# KiCad board register-motherboard.kicad_pcb (continued)
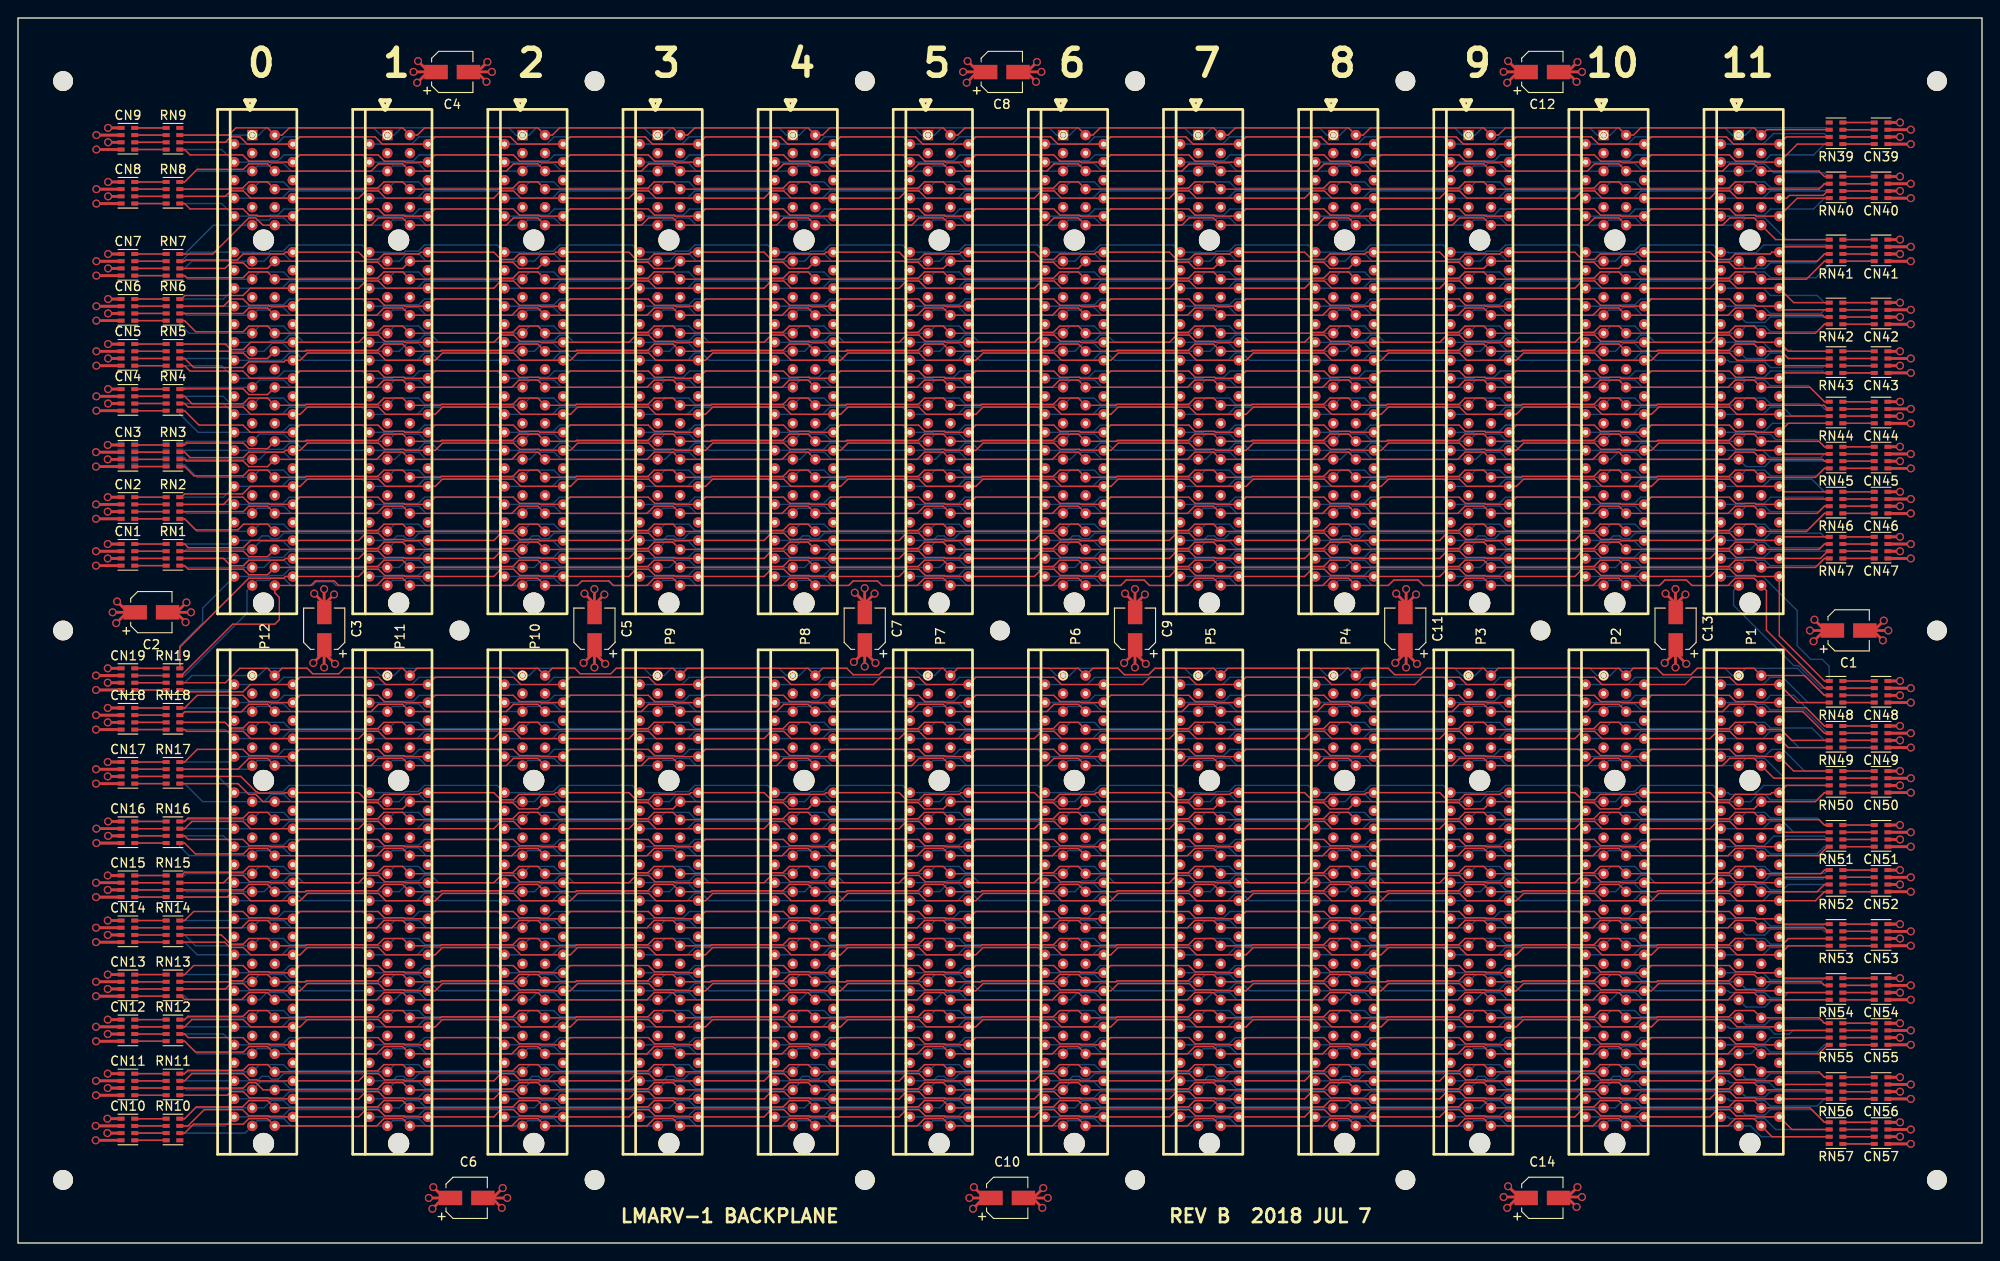
[diagram p0: board, top side]
## Routing (per net, layer and track width the routed paths; a pad name or vN(x,y) marks a point on that pad's centre or on a via; arc(x,y) is an arc through that point) (continued)
/rd[12]: length 192.8
  Bottom w0.152: RN68.7 200.88,56.6 198.28,59.2 194.49,59.2 193.89,59.8 191.8,59.8 P1.54 180.31,59 179.44,59.87 178.18,59.87 177.89,59.57 176.57,59.57 P2.54 165.31,59 164.44,59.87 163.18,59.87 162.89,59.57 161.57,59.57 P3.54 150.31,59 149.44,59.87 148.18,59.87 147.89,59.57 146.57,59.57 P4.54 135.31,59 134.44,59.87 133.18,59.87 132.89,59.57 131.57,59.57 P5.54 120.31,59 119.44,59.87 118.18,59.87 117.89,59.57 116.57,59.57 P6.54 105.31,59 104.44,59.87 103.18,59.87 102.89,59.57 101.57,59.57 P7.54 90.31,59 89.44,59.87 88.18,59.87 87.89,59.57 86.57,59.57 P8.54 75.31,59 74.44,59.87 73.18,59.87 72.89,59.57 71.57,59.57 P9.54 60.31,59 59.44,59.87 58.18,59.87 57.89,59.57 56.57,59.57 P10.54 45.31,59 44.44,59.87 43.18,59.87 42.89,59.57 41.57,59.57 P11.54 30.31,59 29.44,59.87 28.18,59.87 27.89,59.57 26.57,59.57 P12.54 18.52,59 18.12,58.6 RN37.6
/rd[13]: length 192.4
  Bottom w0.152: RN68.8 200.51,57.4 197.1,60.8 194.53,60.8 193.84,60.11 191.68,60.11 191.57,60 P1.53 188.2,60.8 179.53,60.8 178.9,60.17 178.05,60.17 177.88,60 P2.53 173.2,60.8 164.53,60.8 163.9,60.17 163.05,60.17 162.88,60 P3.53 158.2,60.8 149.53,60.8 148.9,60.17 148.05,60.17 147.88,60 P4.53 143.2,60.8 134.53,60.8 133.9,60.17 133.05,60.17 132.88,60 P5.53 128.2,60.8 119.53,60.8 118.9,60.17 118.05,60.17 117.88,60 P6.53 113.2,60.8 104.53,60.8 103.9,60.17 103.05,60.17 102.88,60 P7.53 98.2,60.8 89.53,60.8 88.9,60.17 88.05,60.17 87.88,60 P8.53 83.2,60.8 74.53,60.8 73.9,60.17 73.05,60.17 72.88,60 P9.53 68.2,60.8 59.53,60.8 58.9,60.17 58.05,60.17 57.88,60 P10.53 53.2,60.8 44.53,60.8 43.9,60.17 43.05,60.17 42.88,60 P11.53 38.2,60.8 29.53,60.8 28.9,60.17 28.05,60.17 27.88,60 P12.53 23.4,59.4 RN37.5
/rd[14]: length 192.2
  Bottom w0.152: RN38.8 23.4,61.4 P12.51 28.69,62 29.49,62.8 38.2,62.8 P11.51 43.69,62 44.49,62.8 53.2,62.8 P10.51 58.69,62 59.49,62.8 62.37,62.8 62.37,62.8 62.63,62.8 62.63,62.8 68.2,62.8 P9.51 73.69,62 74.49,62.8 83.2,62.8 P8.51 88.69,62 89.49,62.8 92.57,62.8 92.57,62.8 95.72,62.8 95.73,62.8 98.2,62.8 P7.51 103.69,62 104.49,62.8 113.2,62.8 P6.51 118.69,62 119.49,62.8 122.67,62.8 122.67,62.8 125.62,62.8 125.63,62.8 128.2,62.8 P5.51 133.69,62 134.49,62.8 143.2,62.8 P4.51 148.69,62 149.49,62.8 152.67,62.8 152.67,62.8 155.82,62.8 155.83,62.8 158.2,62.8 P3.51 163.69,62 164.49,62.8 173.2,62.8 P2.51 178.69,62 179.49,62.8 182.47,62.8 182.47,62.8 185.82,62.8 185.83,62.8 188.2,62.8 P1.51 193.69,62 194.49,62.8 195.89,62.8 198.69,60 RN67.5
/rd[15]: length 195.6
  Bottom w0.152: RN67.6 200.51,60.8 197.5,63.8 191.8,63.8 P1.50 190.27,63 189.47,63.8 186.4,63.8 185.7,63.1 182.6,63.1 181.9,63.8 181.9,63.8 177.53,63.8 176.73,63 P2.50 175.27,63 174.47,63.8 162.53,63.8 161.73,63 P3.50 160.27,63 159.47,63.8 156.4,63.8 155.7,63.1 152.8,63.1 152.1,63.8 147.53,63.8 146.73,63 P4.50 145.27,63 144.47,63.8 132.53,63.8 131.73,63 P5.50 130.27,63 129.47,63.8 126.2,63.8 125.5,63.1 122.8,63.1 122.1,63.8 122.1,63.8 117.53,63.8 116.73,63 P6.50 115.27,63 114.47,63.8 102.53,63.8 101.73,63 P7.50 100.27,63 99.47,63.8 96.3,63.8 95.6,63.1 92.7,63.1 92,63.8 87.53,63.8 86.73,63 P8.50 85.27,63 84.47,63.8 72.53,63.8 71.73,63 P9.50 70.27,63 69.47,63.8 66.4,63.8 65.8,63.2 62.4,63.2 61.8,63.8 57.53,63.8 56.73,63 P10.50 55.27,63 54.47,63.8 42.53,63.8 41.73,63 P11.50 40.27,63 39.47,63.8 36.2,63.8 35.6,63.2 32.7,63.2 32.1,63.8 27.53,63.8 26.73,63 P12.50 19.29,63 18.49,62.2 RN38.7
/rd[16]: length 190.9
  Bottom w0.152: RN62.8 196.93,99 196.82,99.11 194.58,99.11 193.69,100 P1.22 181.69,100 180.89,100.8 180.11,100.8 179.51,100.2 178.08,100.2 177.88,100 P2.22 166.69,100 165.89,100.8 165.11,100.8 164.51,100.2 163.08,100.2 162.88,100 P3.22 151.69,100 150.89,100.8 150.11,100.8 149.51,100.2 148.08,100.2 147.88,100 P4.22 136.69,100 135.89,100.8 135.11,100.8 134.51,100.2 133.08,100.2 132.88,100 P5.22 121.69,100 120.89,100.8 120.11,100.8 119.51,100.2 118.08,100.2 117.88,100 P6.22 106.69,100 105.89,100.8 105.11,100.8 104.51,100.2 103.08,100.2 102.88,100 P7.22 91.69,100 90.89,100.8 90.11,100.8 89.51,100.2 88.08,100.2 87.88,100 P8.22 76.69,100 75.89,100.8 75.11,100.8 74.51,100.2 73.08,100.2 72.88,100 P9.22 61.69,100 60.89,100.8 60.11,100.8 59.51,100.2 58.08,100.2 57.88,100 P10.22 46.69,100 45.89,100.8 45.11,100.8 44.51,100.2 43.08,100.2 42.88,100 P11.22 31.69,100 30.89,100.8 30.11,100.8 29.51,100.2 28.08,100.2 27.88,100 P12.22 23.8,99.8 RN24.5
/rd[17]: length 192.1
  Bottom w0.152: RN25.8 17.96,102.03 18.99,101 P12.21 26.8,101.8 29.47,101.8 30.16,101.11 31.01,101.11 31.12,101 P11.21 41.8,101.8 44.47,101.8 45.16,101.11 46.01,101.11 46.12,101 P10.21 56.8,101.8 59.47,101.8 60.16,101.11 61.01,101.11 61.12,101 P9.21 71.8,101.8 74.47,101.8 75.16,101.11 76.01,101.11 76.12,101 P8.21 86.8,101.8 89.47,101.8 90.16,101.11 91.01,101.11 91.12,101 P7.21 101.8,101.8 104.47,101.8 105.16,101.11 106.01,101.11 106.12,101 P6.21 116.8,101.8 119.47,101.8 120.16,101.11 121.01,101.11 121.12,101 P5.21 131.8,101.8 134.47,101.8 135.16,101.11 136.01,101.11 136.12,101 P4.21 146.8,101.8 149.47,101.8 150.16,101.11 151.01,101.11 151.12,101 P3.21 161.8,101.8 164.47,101.8 165.16,101.11 166.01,101.11 166.12,101 P2.21 176.8,101.8 179.47,101.8 180.16,101.11 181.01,101.11 181.12,101 P1.21 191.8,101.8 193.89,101.8 194.52,101.17 199.68,101.17 200.51,102 RN61.5
/rd[18]: length 191.7
  Bottom w0.152: RN61.6 200.51,102.8 200.48,102.83 194.52,102.83 193.89,102.2 191.8,102.2 P1.19 180.31,103 179.44,103.87 178.18,103.87 177.89,103.57 176.57,103.57 P2.19 165.31,103 164.44,103.87 163.18,103.87 162.89,103.57 161.57,103.57 P3.19 150.31,103 149.44,103.87 148.18,103.87 147.89,103.57 146.57,103.57 P4.19 135.31,103 134.44,103.87 133.18,103.87 132.89,103.57 131.57,103.57 P5.19 120.31,103 119.44,103.87 118.18,103.87 117.89,103.57 116.57,103.57 P6.19 105.31,103 104.44,103.87 103.18,103.87 102.89,103.57 101.57,103.57 P7.19 90.31,103 89.44,103.87 88.18,103.87 87.89,103.57 86.57,103.57 P8.19 75.31,103 74.44,103.87 73.18,103.87 72.89,103.57 71.57,103.57 P9.19 60.31,103 59.44,103.87 58.18,103.87 57.89,103.57 56.57,103.57 P10.19 45.31,103 44.44,103.87 43.18,103.87 42.89,103.57 41.57,103.57 P11.19 30.31,103 29.44,103.87 28.18,103.87 27.89,103.57 26.57,103.57 P12.19 18.69,103 18.49,103.2 RN25.7
/rd[19]: length 190.9
  Bottom w0.152: RN25.6 P12.18 27.88,104 28.05,104.17 29.48,104.17 30.11,104.8 38.2,104.8 P11.18 42.88,104 43.05,104.17 44.48,104.17 45.11,104.8 53.2,104.8 P10.18 57.88,104 58.05,104.17 59.48,104.17 60.11,104.8 68.2,104.8 P9.18 72.88,104 73.05,104.17 74.48,104.17 75.11,104.8 83.2,104.8 P8.18 87.88,104 88.05,104.17 89.48,104.17 90.11,104.8 98.2,104.8 P7.18 102.88,104 103.05,104.17 104.48,104.17 105.11,104.8 113.2,104.8 P6.18 117.88,104 118.05,104.17 119.48,104.17 120.11,104.8 128.2,104.8 P5.18 132.88,104 133.05,104.17 134.48,104.17 135.11,104.8 143.2,104.8 P4.18 147.88,104 148.05,104.17 149.48,104.17 150.11,104.8 158.2,104.8 P3.18 162.88,104 163.05,104.17 164.48,104.17 165.11,104.8 173.2,104.8 P2.18 177.88,104 178.05,104.17 179.48,104.17 180.11,104.8 188.2,104.8 P1.18 193.69,104 194.49,103.2 200.1,103.2 200.51,103.6 RN61.7
/rd[20]: length 191.6
  Bottom w0.152: RN61.8 200.51,104.4 199.71,105.2 194.53,105.2 193.73,106 P1.16 188.2,106.8 180.11,106.8 179.31,106 P2.16 173.2,106.8 165.11,106.8 164.31,106 P3.16 158.2,106.8 150.11,106.8 149.31,106 P4.16 143.2,106.8 135.11,106.8 134.31,106 P5.16 128.2,106.8 120.11,106.8 119.31,106 P6.16 113.2,106.8 105.11,106.8 104.31,106 P7.16 98.2,106.8 90.11,106.8 89.31,106 P8.16 83.2,106.8 75.11,106.8 74.31,106 P9.16 68.2,106.8 60.11,106.8 59.31,106 P10.16 53.2,106.8 45.11,106.8 44.31,106 P11.16 38.2,106.8 30.11,106.8 29.31,106 P12.16 22.8,104.8 RN25.5
/rd[21]: length 192.1
  Bottom w0.152: RN26.8 18.49,107.4 18.89,107 P12.15 26.8,107.8 29.47,107.8 30.16,107.11 38.32,107.11 38.43,107 P11.15 41.8,107.8 44.47,107.8 45.16,107.11 53.32,107.11 53.43,107 P10.15 56.8,107.8 59.47,107.8 60.16,107.11 68.32,107.11 68.43,107 P9.15 71.8,107.8 74.47,107.8 75.16,107.11 83.32,107.11 83.43,107 P8.15 86.8,107.8 89.47,107.8 90.16,107.11 98.32,107.11 98.43,107 P7.15 101.8,107.8 104.47,107.8 105.16,107.11 113.32,107.11 113.43,107 P6.15 116.8,107.8 119.47,107.8 120.16,107.11 128.32,107.11 128.43,107 P5.15 131.8,107.8 134.47,107.8 135.16,107.11 143.32,107.11 143.43,107 P4.15 146.8,107.8 149.47,107.8 150.16,107.11 158.32,107.11 158.43,107 P3.15 161.8,107.8 164.47,107.8 165.16,107.11 173.32,107.11 173.43,107 P2.15 176.8,107.8 179.47,107.8 180.16,107.11 188.32,107.11 188.43,107 P1.15 191.8,107.8 193.89,107.8 194.52,107.17 199.58,107.17 201.04,108.63 RN60.5
/rd[22]: length 191.7
  Bottom w0.152: RN60.6 200.51,109.8 199.54,108.83 194.52,108.83 193.89,108.2 191.8,108.2 P1.13 180.31,109 179.51,109.8 178.11,109.8 177.31,109 P2.13 165.31,109 164.51,109.8 163.11,109.8 162.31,109 P3.13 150.31,109 149.51,109.8 148.11,109.8 147.31,109 P4.13 135.31,109 134.51,109.8 133.11,109.8 132.31,109 P5.13 120.31,109 119.51,109.8 118.11,109.8 117.31,109 P6.13 105.31,109 104.51,109.8 103.11,109.8 102.31,109 P7.13 90.31,109 89.51,109.8 88.11,109.8 87.31,109 P8.13 75.31,109 74.51,109.8 73.11,109.8 72.31,109 P9.13 60.31,109 59.51,109.8 58.11,109.8 57.31,109 P10.13 45.31,109 44.51,109.8 43.11,109.8 42.31,109 P11.13 30.31,109 29.51,109.8 28.11,109.8 27.31,109 P12.13 19.29,109 18.49,108.2 RN26.7
/rd[23]: length 191.8
  Bottom w0.152: RN26.6 18.12,109 19.12,110 P12.12 26.19,110 26.24,109.95 27.83,109.95 27.99,110.11 29.42,110.11 30.11,110.8 38.2,110.8 P11.12 41.19,110 41.24,109.95 42.83,109.95 42.99,110.11 44.42,110.11 45.11,110.8 53.2,110.8 P10.12 56.19,110 56.24,109.95 57.83,109.95 57.99,110.11 59.42,110.11 60.11,110.8 68.2,110.8 P9.12 71.19,110 71.24,109.95 72.83,109.95 72.99,110.11 74.42,110.11 75.11,110.8 83.2,110.8 P8.12 86.19,110 86.24,109.95 87.83,109.95 87.99,110.11 89.42,110.11 90.11,110.8 98.2,110.8 P7.12 101.19,110 101.24,109.95 102.83,109.95 102.99,110.11 104.42,110.11 105.11,110.8 113.2,110.8 P6.12 116.19,110 116.24,109.95 117.83,109.95 117.99,110.11 119.42,110.11 120.11,110.8 128.2,110.8 P5.12 131.19,110 131.24,109.95 132.83,109.95 132.99,110.11 134.42,110.11 135.11,110.8 143.2,110.8 P4.12 146.19,110 146.24,109.95 147.83,109.95 147.99,110.11 149.42,110.11 150.11,110.8 158.2,110.8 P3.12 161.19,110 161.24,109.95 162.83,109.95 162.99,110.11 164.42,110.11 165.11,110.8 173.2,110.8 P2.12 176.19,110 176.24,109.95 177.83,109.95 177.99,110.11 179.42,110.11 180.11,110.8 188.2,110.8 P1.12 189.81,110 189.87,109.95 192.92,109.95 193.78,110.8 200.67,110.8 200.88,110.6 RN60.7
/rd[24]: length 193.1
  Bottom w0.152: RN26.5 18.49,109.8 21.69,113 P12.11 26.57,113.57 27.89,113.57 28.11,113.8 29.51,113.8 30.31,113 P11.11 41.57,113.57 42.89,113.57 43.11,113.8 44.51,113.8 45.31,113 P10.11 56.57,113.57 57.89,113.57 58.11,113.8 59.51,113.8 60.31,113 P9.11 71.57,113.57 72.89,113.57 73.11,113.8 74.51,113.8 75.31,113 P8.11 86.57,113.57 87.89,113.57 88.11,113.8 89.51,113.8 90.31,113 P7.11 101.57,113.57 102.89,113.57 103.11,113.8 104.51,113.8 105.31,113 P6.11 116.57,113.57 117.89,113.57 118.11,113.8 119.51,113.8 120.31,113 P5.11 131.57,113.57 132.89,113.57 133.11,113.8 134.51,113.8 135.31,113 P4.11 146.57,113.57 147.89,113.57 148.11,113.8 149.51,113.8 150.31,113 P3.11 161.57,113.57 162.89,113.57 163.11,113.8 164.51,113.8 165.31,113 P2.11 176.57,113.57 177.89,113.57 178.11,113.8 179.51,113.8 180.31,113 P1.11 191.8,113.8 193.89,113.8 196.29,111.4 RN60.8
/rd[25]: length 191.8
  Bottom w0.152: RN27.8 22.6,115.4 P12.10 27.88,114 27.99,114.11 28.84,114.11 29.53,114.8 38.2,114.8 P11.10 42.88,114 42.99,114.11 43.84,114.11 44.53,114.8 53.2,114.8 P10.10 57.88,114 57.99,114.11 58.84,114.11 59.53,114.8 68.2,114.8 P9.10 72.88,114 72.99,114.11 73.84,114.11 74.53,114.8 83.2,114.8 P8.10 87.88,114 87.99,114.11 88.84,114.11 89.53,114.8 98.2,114.8 P7.10 102.88,114 102.99,114.11 103.84,114.11 104.53,114.8 113.2,114.8 P6.10 117.88,114 117.99,114.11 118.84,114.11 119.53,114.8 128.2,114.8 P5.10 132.88,114 132.99,114.11 133.84,114.11 134.53,114.8 143.2,114.8 P4.10 147.88,114 147.99,114.11 148.84,114.11 149.53,114.8 158.2,114.8 P3.10 162.88,114 162.99,114.11 163.84,114.11 164.53,114.8 173.2,114.8 P2.10 177.88,114 177.99,114.11 178.84,114.11 179.53,114.8 188.2,114.8 P1.10 191.57,114 191.68,114.11 193.84,114.11 194.53,114.8 199.31,114.8 200.51,116 RN59.5
/rd[26]: length 190.8
  Bottom w0.152: RN27.7 23.8,116.2 P12.8 29.31,116 30.11,116.8 38.2,116.8 P11.8 44.31,116 45.11,116.8 53.2,116.8 P10.8 59.31,116 60.11,116.8 68.2,116.8 P9.8 74.31,116 75.11,116.8 83.2,116.8 P8.8 89.31,116 90.11,116.8 98.2,116.8 P7.8 104.31,116 105.11,116.8 113.2,116.8 P6.8 119.31,116 120.11,116.8 128.2,116.8 P5.8 134.31,116 135.11,116.8 143.2,116.8 P4.8 149.31,116 150.11,116.8 158.2,116.8 P3.8 164.31,116 165.11,116.8 173.2,116.8 P2.8 179.31,116 180.11,116.8 188.2,116.8 P1.8 193.69,116 194.49,116.8 200.5,116.8 200.51,116.8 RN59.6
/rd[27]: length 191.2
  Bottom w0.152: RN27.6 P12.7 26.8,117.8 29.47,117.8 30.16,117.11 38.32,117.11 38.43,117 P11.7 41.8,117.8 44.47,117.8 45.16,117.11 53.32,117.11 53.43,117 P10.7 56.8,117.8 59.47,117.8 60.16,117.11 68.32,117.11 68.43,117 P9.7 71.8,117.8 74.47,117.8 75.16,117.11 83.32,117.11 83.43,117 P8.7 86.8,117.8 89.47,117.8 90.16,117.11 98.32,117.11 98.43,117 P7.7 101.8,117.8 104.47,117.8 105.16,117.11 113.32,117.11 113.43,117 P6.7 116.8,117.8 119.47,117.8 120.16,117.11 128.32,117.11 128.43,117 P5.7 131.8,117.8 134.47,117.8 135.16,117.11 143.32,117.11 143.43,117 P4.7 146.8,117.8 149.47,117.8 150.16,117.11 158.32,117.11 158.43,117 P3.7 161.8,117.8 164.47,117.8 165.16,117.11 173.32,117.11 173.43,117 P2.7 176.8,117.8 179.47,117.8 180.16,117.11 188.32,117.11 188.43,117 P1.7 191.8,117.8 193.89,117.8 194.52,117.17 200.08,117.17 200.51,117.6 RN59.7
/rd[28]: length 192.4
  Bottom w0.152: RN27.5 18.49,117.8 19.69,119 P12.5 26.57,119.57 27.89,119.57 28.18,119.87 29.44,119.87 30.31,119 P11.5 41.57,119.57 42.89,119.57 43.18,119.87 44.44,119.87 45.31,119 P10.5 56.57,119.57 57.89,119.57 58.18,119.87 59.44,119.87 60.31,119 P9.5 71.57,119.57 72.89,119.57 73.18,119.87 74.44,119.87 75.31,119 P8.5 86.57,119.57 87.89,119.57 88.18,119.87 89.44,119.87 90.31,119 P7.5 101.57,119.57 102.89,119.57 103.18,119.87 104.44,119.87 105.31,119 P6.5 116.57,119.57 117.89,119.57 118.18,119.87 119.44,119.87 120.31,119 P5.5 131.57,119.57 132.89,119.57 133.18,119.87 134.44,119.87 135.31,119 P4.5 146.57,119.57 147.89,119.57 148.18,119.87 149.44,119.87 150.31,119 P3.5 161.57,119.57 162.89,119.57 163.18,119.87 164.44,119.87 165.31,119 P2.5 176.57,119.57 177.89,119.57 178.18,119.87 179.44,119.87 180.31,119 P1.5 192.31,119 193.11,119.8 193.89,119.8 194.86,118.83 200.45,118.83 200.88,118.4 RN59.8
/rd[29]: length 191.8
  Bottom w0.152: RN28.8 22.6,121.4 P12.4 27.88,120 28.05,120.17 28.9,120.17 29.53,120.8 38.2,120.8 P11.4 42.88,120 43.05,120.17 43.9,120.17 44.53,120.8 53.2,120.8 P10.4 57.88,120 58.05,120.17 58.9,120.17 59.53,120.8 68.2,120.8 P9.4 72.88,120 73.05,120.17 73.9,120.17 74.53,120.8 83.2,120.8 P8.4 87.88,120 88.05,120.17 88.9,120.17 89.53,120.8 98.2,120.8 P7.4 102.88,120 103.05,120.17 103.9,120.17 104.53,120.8 113.2,120.8 P6.4 117.88,120 118.05,120.17 118.9,120.17 119.53,120.8 128.2,120.8 P5.4 132.88,120 133.05,120.17 133.9,120.17 134.53,120.8 143.2,120.8 P4.4 147.88,120 148.05,120.17 148.9,120.17 149.53,120.8 158.2,120.8 P3.4 162.88,120 163.05,120.17 163.9,120.17 164.53,120.8 173.2,120.8 P2.4 177.88,120 178.05,120.17 178.9,120.17 179.53,120.8 188.2,120.8 P1.4 192.88,120 192.99,120.11 193.84,120.11 194.53,120.8 199.31,120.8 200.51,122 RN58.5
/rd[30]: length 191.1
  Bottom w0.152: RN58.6 200.88,122.8 200.51,123.17 194.86,123.17 193.69,122 P1.2 188.2,122.8 179.49,122.8 178.69,122 P2.2 173.2,122.8 164.49,122.8 163.69,122 P3.2 158.2,122.8 149.49,122.8 148.69,122 P4.2 143.2,122.8 134.49,122.8 133.69,122 P5.2 128.2,122.8 119.49,122.8 118.69,122 P6.2 113.2,122.8 104.49,122.8 103.69,122 P7.2 98.2,122.8 89.49,122.8 88.69,122 P8.2 83.2,122.8 74.49,122.8 73.69,122 P9.2 68.2,122.8 59.49,122.8 58.69,122 P10.2 53.2,122.8 44.49,122.8 43.69,122 P11.2 38.2,122.8 29.49,122.8 28.69,122 P12.2 23.8,122.2 RN28.7
/rd[31]: length 190.8
  Bottom w0.152: RN58.7 200.88,123.6 200.67,123.8 192.53,123.8 191.73,123 P1.1 190.27,123 189.47,123.8 177.53,123.8 176.73,123 P2.1 175.27,123 174.47,123.8 162.53,123.8 161.73,123 P3.1 160.27,123 159.47,123.8 147.53,123.8 146.73,123 P4.1 145.27,123 144.47,123.8 132.53,123.8 131.73,123 P5.1 130.27,123 129.47,123.8 117.53,123.8 116.73,123 P6.1 115.27,123 114.47,123.8 102.53,123.8 101.73,123 P7.1 100.27,123 99.47,123.8 87.53,123.8 86.73,123 P8.1 85.27,123 84.47,123.8 72.53,123.8 71.73,123 P9.1 70.27,123 69.47,123.8 57.53,123.8 56.73,123 P10.1 55.27,123 54.47,123.8 42.53,123.8 41.73,123 P11.1 40.27,123 39.47,123.8 27.53,123.8 26.73,123 P12.1 RN28.6
/rda[0]: length 192
  Bottom w0.152: RN66.7 200.51,77.6 200.1,77.2 194.49,77.2 193.89,77.8 193.11,77.8 192.31,77 P1.45 188.43,77 188.32,77.11 180.23,77.11 179.45,77.89 176.89,77.89 P2.45 173.43,77 173.32,77.11 165.23,77.11 164.45,77.89 161.89,77.89 P3.45 158.43,77 158.32,77.11 150.23,77.11 149.45,77.89 146.89,77.89 P4.45 143.43,77 143.32,77.11 135.23,77.11 134.45,77.89 131.89,77.89 P5.45 128.43,77 128.32,77.11 120.23,77.11 119.45,77.89 116.89,77.89 P6.45 113.43,77 113.32,77.11 105.23,77.11 104.45,77.89 101.89,77.89 P7.45 98.43,77 98.32,77.11 90.23,77.11 89.45,77.89 86.89,77.89 P8.45 83.43,77 83.32,77.11 75.23,77.11 74.45,77.89 71.89,77.89 P9.45 68.43,77 68.32,77.11 60.23,77.11 59.45,77.89 56.89,77.89 P10.45 53.43,77 53.32,77.11 45.23,77.11 44.45,77.89 41.89,77.89 P11.45 38.43,77 38.32,77.11 30.23,77.11 29.45,77.89 26.89,77.89 P12.45 18.69,77 18.49,76.8 RN20.6
/rda[1]: length 191
  Bottom w0.152: P12.46 27.88,76 27.99,76.11 29.42,76.11 30.11,76.8 38.2,76.8 P11.46 42.88,76 42.99,76.11 44.42,76.11 45.11,76.8 53.2,76.8 P10.46 57.88,76 57.99,76.11 59.42,76.11 60.11,76.8 68.2,76.8 P9.46 72.88,76 72.99,76.11 74.42,76.11 75.11,76.8 83.2,76.8 P8.46 87.88,76 87.99,76.11 89.42,76.11 90.11,76.8 98.2,76.8 P7.46 102.88,76 102.99,76.11 104.42,76.11 105.11,76.8 113.2,76.8 P6.46 117.88,76 117.99,76.11 119.42,76.11 120.11,76.8 128.2,76.8 P5.46 132.88,76 132.99,76.11 134.42,76.11 135.11,76.8 143.2,76.8 P4.46 147.88,76 147.99,76.11 149.42,76.11 150.11,76.8 158.2,76.8 P3.46 162.88,76 162.99,76.11 164.42,76.11 165.11,76.8 173.2,76.8 P2.46 177.88,76 177.99,76.11 179.42,76.11 180.11,76.8 188.2,76.8 P1.46 191.57,76 191.68,76.11 193.8,76.11 194.49,76.8 200.5,76.8 200.51,76.8 RN66.6 ; P12.46 RN20.7 ; P12.46 23.8,76.2
/rda[2]: length 191.4
  Bottom w0.152: RN66.5 200.51,76 199.7,75.2 194.49,75.2 193.89,75.8 191.8,75.8 P1.47 188.43,75 188.32,75.11 180.2,75.11 179.51,75.8 178.11,75.8 177.31,75 P2.47 173.43,75 173.32,75.11 165.2,75.11 164.51,75.8 163.11,75.8 162.31,75 P3.47 158.43,75 158.32,75.11 150.2,75.11 149.51,75.8 148.11,75.8 147.31,75 P4.47 143.43,75 143.32,75.11 135.2,75.11 134.51,75.8 133.11,75.8 132.31,75 P5.47 128.43,75 128.32,75.11 120.2,75.11 119.51,75.8 118.11,75.8 117.31,75 P6.47 113.43,75 113.32,75.11 105.2,75.11 104.51,75.8 103.11,75.8 102.31,75 P7.47 98.43,75 98.32,75.11 90.2,75.11 89.51,75.8 88.11,75.8 87.31,75 P8.47 83.43,75 83.32,75.11 75.2,75.11 74.51,75.8 73.11,75.8 72.31,75 P9.47 68.43,75 68.32,75.11 60.2,75.11 59.51,75.8 58.11,75.8 57.31,75 P10.47 53.43,75 53.32,75.11 45.2,75.11 44.51,75.8 43.11,75.8 42.31,75 P11.47 38.43,75 38.32,75.11 30.2,75.11 29.51,75.8 28.11,75.8 27.31,75 P12.47 18.69,75 18.49,75.2 RN20.8
/rda[3]: length 205.1
  Bottom w0.152: RN67.8 201.04,64.03 200.27,64.8 199,64.8 197.49,66.31 197.49,70.2 193.69,74 P1.48 188.2,74.8 180.11,74.8 179.42,74.11 177.99,74.11 177.88,74 P2.48 173.2,74.8 165.11,74.8 164.42,74.11 162.99,74.11 162.88,74 P3.48 158.2,74.8 150.11,74.8 149.42,74.11 147.99,74.11 147.88,74 P4.48 143.2,74.8 135.11,74.8 134.42,74.11 132.99,74.11 132.88,74 P5.48 128.2,74.8 120.11,74.8 119.42,74.11 117.99,74.11 117.88,74 P6.48 113.2,74.8 105.11,74.8 104.42,74.11 102.99,74.11 102.88,74 P7.48 98.2,74.8 90.11,74.8 89.42,74.11 87.99,74.11 87.88,74 P8.48 83.2,74.8 75.11,74.8 74.42,74.11 72.99,74.11 72.88,74 P9.48 68.2,74.8 60.11,74.8 59.42,74.11 57.99,74.11 57.88,74 P10.48 53.2,74.8 45.11,74.8 44.42,74.11 42.99,74.11 42.88,74 P11.48 38.2,74.8 30.11,74.8 29.42,74.11 27.99,74.11 27.88,74 P12.48 20.5,70.5 20.5,68.84 17.96,66.3 RN38.5
/rda[4]: length 205.5
  Bottom w0.152: RN38.6 18.49,63 25.43,69.93 25.43,72.43 P12.49 26.57,73.57 27.89,73.57 28.11,73.8 29.51,73.8 30.31,73 32.7,73 33.1,73.4 34.9,73.4 35.3,73 P11.49 41.57,73.57 42.89,73.57 43.11,73.8 44.51,73.8 45.31,73 P10.49 56.57,73.57 57.89,73.57 58.11,73.8 59.51,73.8 60.31,73 62.1,73 62.6,73.5 65.5,73.5 66,73 P9.49 71.57,73.57 72.89,73.57 73.11,73.8 74.51,73.8 75.31,73 P8.49 86.57,73.57 87.89,73.57 88.11,73.8 89.51,73.8 90.31,73 92.2,73 92.7,73.5 95.4,73.5 95.9,73 P7.49 101.57,73.57 102.89,73.57 103.11,73.8 104.51,73.8 105.31,73 P6.49 116.57,73.57 117.89,73.57 118.11,73.8 119.51,73.8 120.31,73 122.4,73 123,73.6 125,73.6 125.6,73 P5.49 131.57,73.57 132.89,73.57 133.11,73.8 134.51,73.8 135.31,73 P4.49 146.57,73.57 147.89,73.57 148.11,73.8 149.51,73.8 150.31,73 152.1,73 152.7,73.6 155.4,73.6 156,73 P3.49 161.57,73.57 162.89,73.57 163.11,73.8 164.51,73.8 165.31,73 P2.49 176.57,73.57 177.89,73.57 178.11,73.8 179.51,73.8 180.31,73 182.2,73 182.8,73.6 185.2,73.6 185.8,73 P1.49 190.43,72.43 190.43,70.8 197.11,64.11 197.63,64.11 200.14,61.6 RN67.7
/rs1[0]: length 191.8
  Top w0.152: RN14.6 22.57,34.2 23.6,33.17 24.98,33.17 25.61,33.8 27.7,33.8 P12.176 31.88,33 31.99,33.11 39.92,33.11 40.61,33.8 42.7,33.8 P11.176 46.88,33 46.99,33.11 54.92,33.11 55.61,33.8 57.7,33.8 P10.176 61.88,33 61.99,33.11 69.92,33.11 70.61,33.8 72.7,33.8 P9.176 76.88,33 76.99,33.11 84.92,33.11 85.61,33.8 87.7,33.8 P8.176 91.88,33 91.99,33.11 99.92,33.11 100.61,33.8 102.7,33.8 P7.176 106.88,33 106.99,33.11 114.92,33.11 115.61,33.8 117.7,33.8 P6.176 121.88,33 121.99,33.11 129.92,33.11 130.61,33.8 132.7,33.8 P5.176 136.88,33 136.99,33.11 144.92,33.11 145.61,33.8 147.7,33.8 P4.176 151.88,33 151.99,33.11 159.92,33.11 160.61,33.8 162.7,33.8 P3.176 166.88,33 166.99,33.11 174.92,33.11 175.61,33.8 177.7,33.8 P2.176 181.88,33 181.99,33.11 189.92,33.11 190.61,33.8 192.7,33.8 P1.176 195.73,33 196.53,33.8 RN53.7
/rs1[1]: length 191.2
  Top w0.152: RN53.6 200.88,34.6 200.47,35 P1.174 192.7,35.8 190.61,35.8 189.81,35 P2.174 177.7,35.8 175.61,35.8 174.81,35 P3.174 162.7,35.8 160.61,35.8 159.81,35 P4.174 147.7,35.8 145.61,35.8 144.81,35 P5.174 132.7,35.8 130.61,35.8 129.81,35 P6.174 117.7,35.8 115.61,35.8 114.81,35 P7.174 102.7,35.8 100.61,35.8 99.81,35 P8.174 87.7,35.8 85.61,35.8 84.81,35 P9.174 72.7,35.8 70.61,35.8 69.81,35 P10.174 57.7,35.8 55.61,35.8 54.81,35 P11.174 42.7,35.8 40.61,35.8 39.81,35 P12.174 27.7,35.8 25.61,35.8 24.81,35 RN14.7
/rs1[2]: length 191.4
  Top w0.152: RN14.8 18.49,35.8 19.5,36.8 24.97,36.8 25.66,36.11 27.82,36.11 27.93,36 P12.173 31.3,36.8 39.97,36.8 40.66,36.11 42.82,36.11 42.93,36 P11.173 46.3,36.8 54.97,36.8 55.66,36.11 57.82,36.11 57.93,36 P10.173 61.3,36.8 69.97,36.8 70.66,36.11 72.82,36.11 72.93,36 P9.173 76.3,36.8 84.97,36.8 85.66,36.11 87.82,36.11 87.93,36 P8.173 91.3,36.8 99.97,36.8 100.66,36.11 102.82,36.11 102.93,36 P7.173 106.3,36.8 114.97,36.8 115.66,36.11 117.82,36.11 117.93,36 P6.173 121.3,36.8 129.97,36.8 130.66,36.11 132.82,36.11 132.93,36 P5.173 136.3,36.8 144.97,36.8 145.66,36.11 147.82,36.11 147.93,36 P4.173 151.3,36.8 159.97,36.8 160.66,36.11 162.82,36.11 162.93,36 P3.173 166.3,36.8 174.97,36.8 175.66,36.11 177.82,36.11 177.93,36 P2.173 181.3,36.8 189.97,36.8 190.66,36.11 192.82,36.11 192.93,36 P1.173 196.1,35.4 RN53.5
/rs1[3]: length 191.3
  Top w0.152: RN15.5 23.21,38.4 23.61,38.8 25.01,38.8 25.81,38 P12.171 31.31,38 32.12,38.8 40.01,38.8 40.81,38 P11.171 46.31,38 47.12,38.8 55.01,38.8 55.81,38 P10.171 61.31,38 62.12,38.8 70.01,38.8 70.81,38 P9.171 76.31,38 77.12,38.8 85.01,38.8 85.81,38 P8.171 91.31,38 92.12,38.8 100.01,38.8 100.81,38 P7.171 106.31,38 107.12,38.8 115.01,38.8 115.81,38 P6.171 121.31,38 122.12,38.8 130.01,38.8 130.81,38 P5.171 136.31,38 137.12,38.8 145.01,38.8 145.81,38 P4.171 151.31,38 152.12,38.8 160.01,38.8 160.81,38 P3.171 166.31,38 167.12,38.8 175.01,38.8 175.81,38 P2.171 181.31,38 182.12,38.8 190.01,38.8 190.81,38 P1.171 199.51,38 200.51,39 RN52.8
/rs1[4]: length 191.3
  Top w0.152: RN15.6 18.49,39.2 18.5,39.2 25.01,39.2 25.61,39.8 27.7,39.8 P12.170 31.88,39 31.99,39.11 39.92,39.11 40.61,39.8 42.7,39.8 P11.170 46.88,39 46.99,39.11 54.92,39.11 55.61,39.8 57.7,39.8 P10.170 61.88,39 61.99,39.11 69.92,39.11 70.61,39.8 72.7,39.8 P9.170 76.88,39 76.99,39.11 84.92,39.11 85.61,39.8 87.7,39.8 P8.170 91.88,39 91.99,39.11 99.92,39.11 100.61,39.8 102.7,39.8 P7.170 106.88,39 106.99,39.11 114.92,39.11 115.61,39.8 117.7,39.8 P6.170 121.88,39 121.99,39.11 129.92,39.11 130.61,39.8 132.7,39.8 P5.170 136.88,39 136.99,39.11 144.92,39.11 145.61,39.8 147.7,39.8 P4.170 151.88,39 151.99,39.11 159.92,39.11 160.61,39.8 162.7,39.8 P3.170 166.88,39 166.99,39.11 174.92,39.11 175.61,39.8 177.7,39.8 P2.170 181.88,39 181.99,39.11 189.92,39.11 190.61,39.8 192.7,39.8 P1.170 199.71,39 200.51,39.8 RN52.7
